# KiCad board SofleKeyboard_ref.kicad_pcb
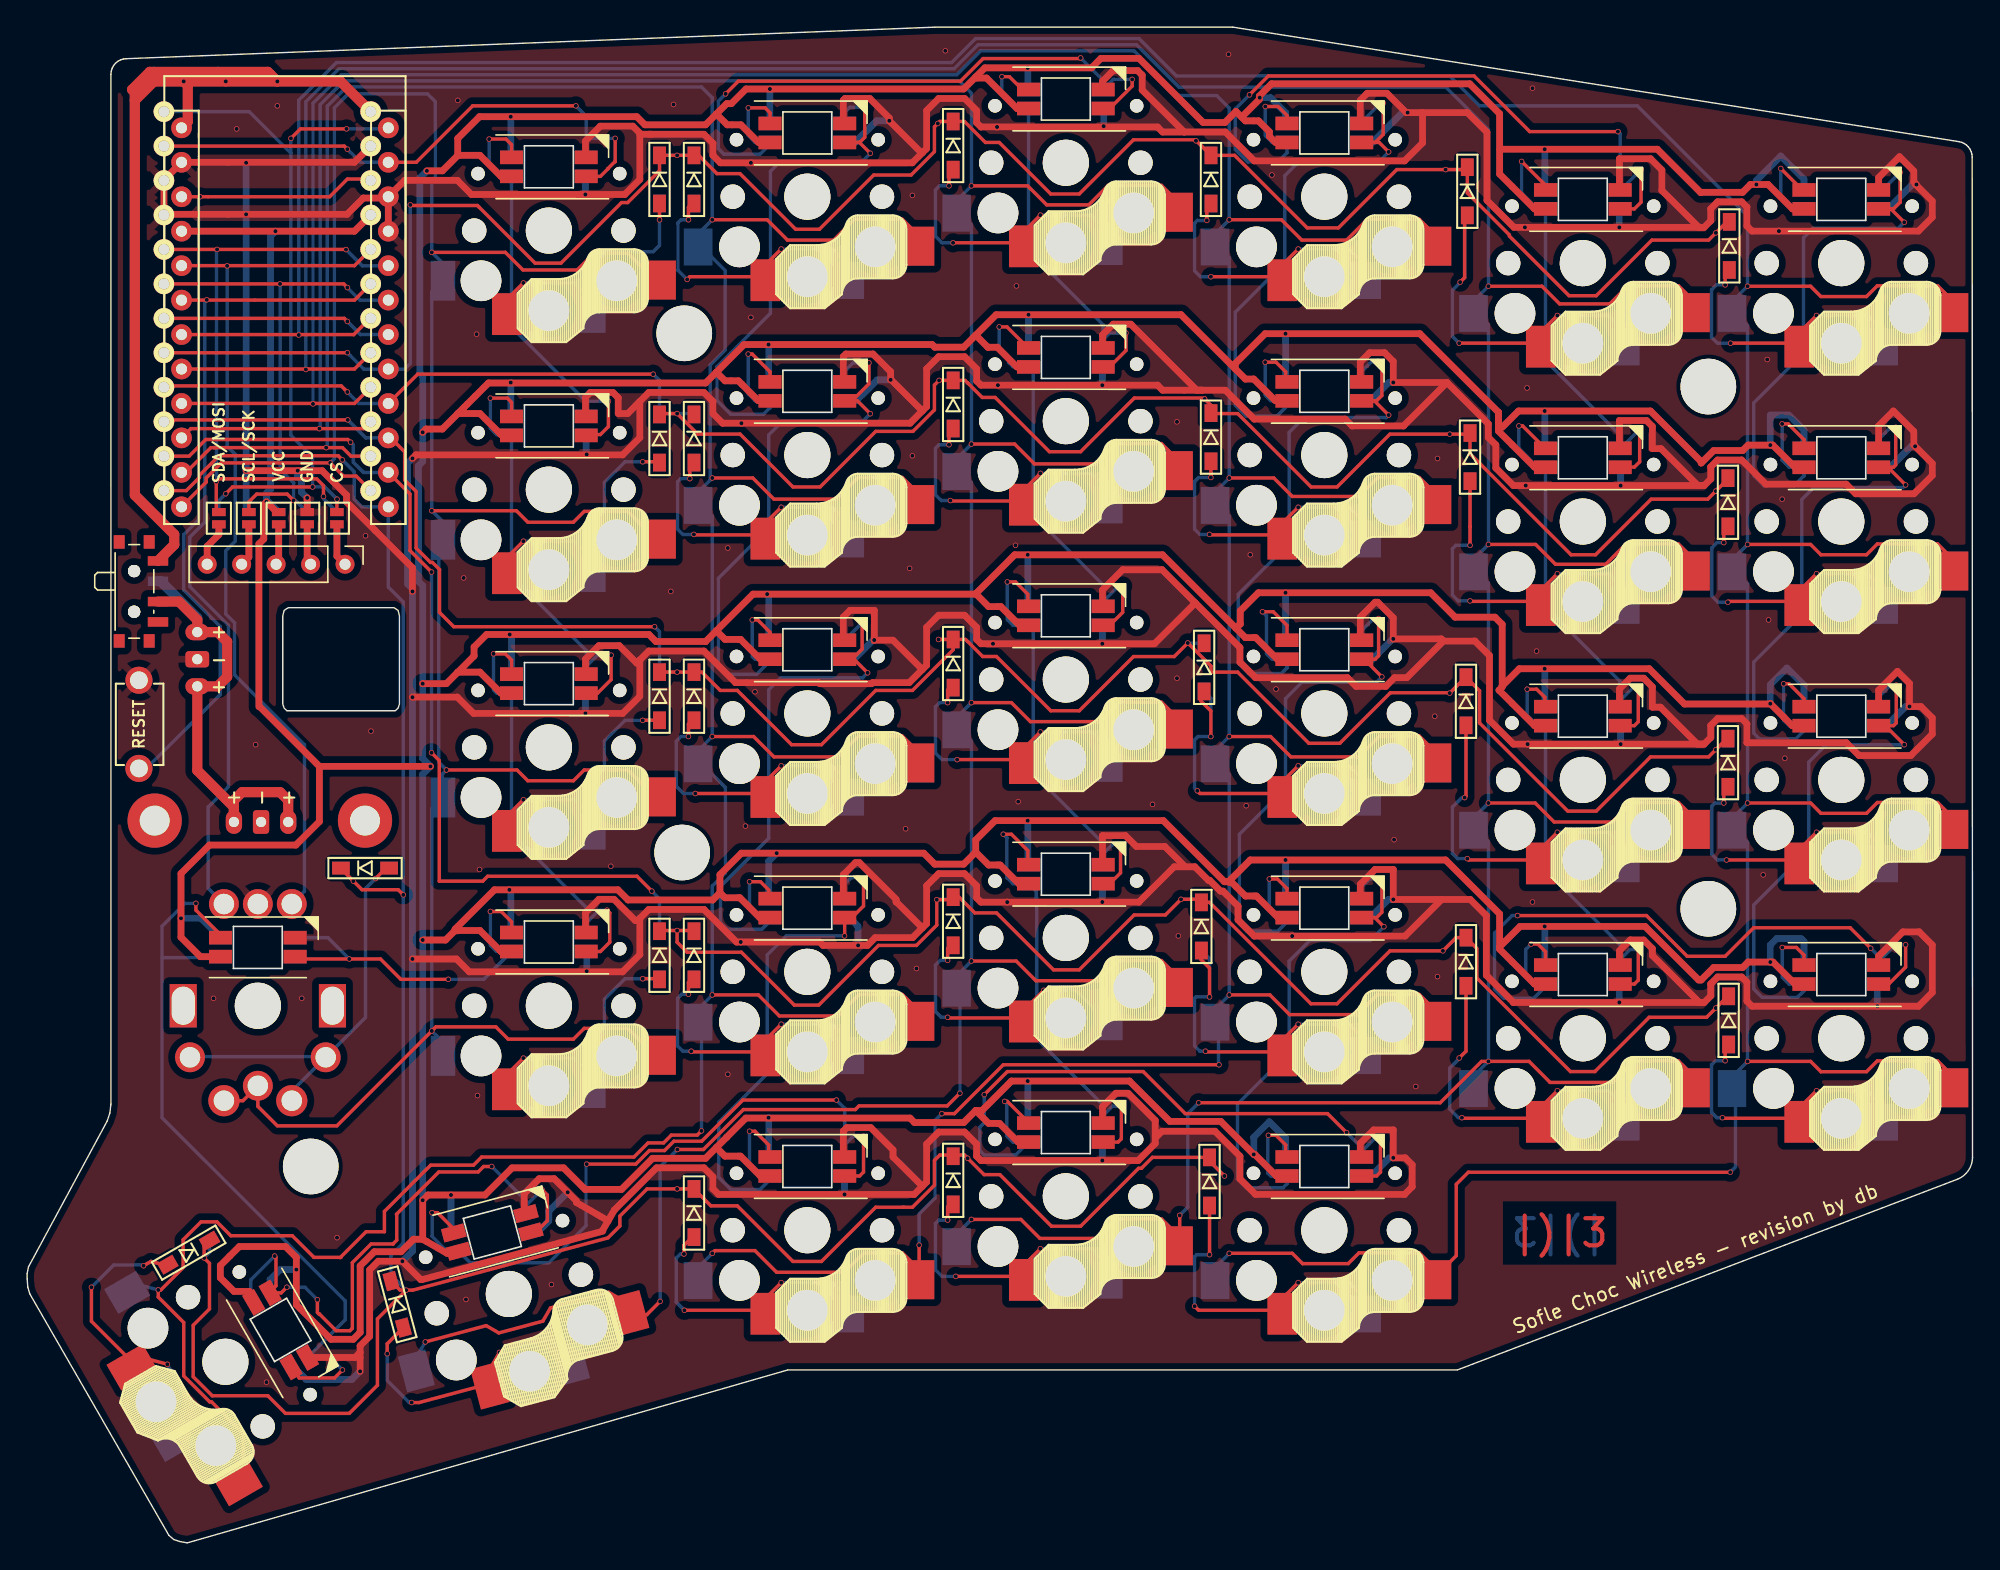
[diagram p0: board, top side]
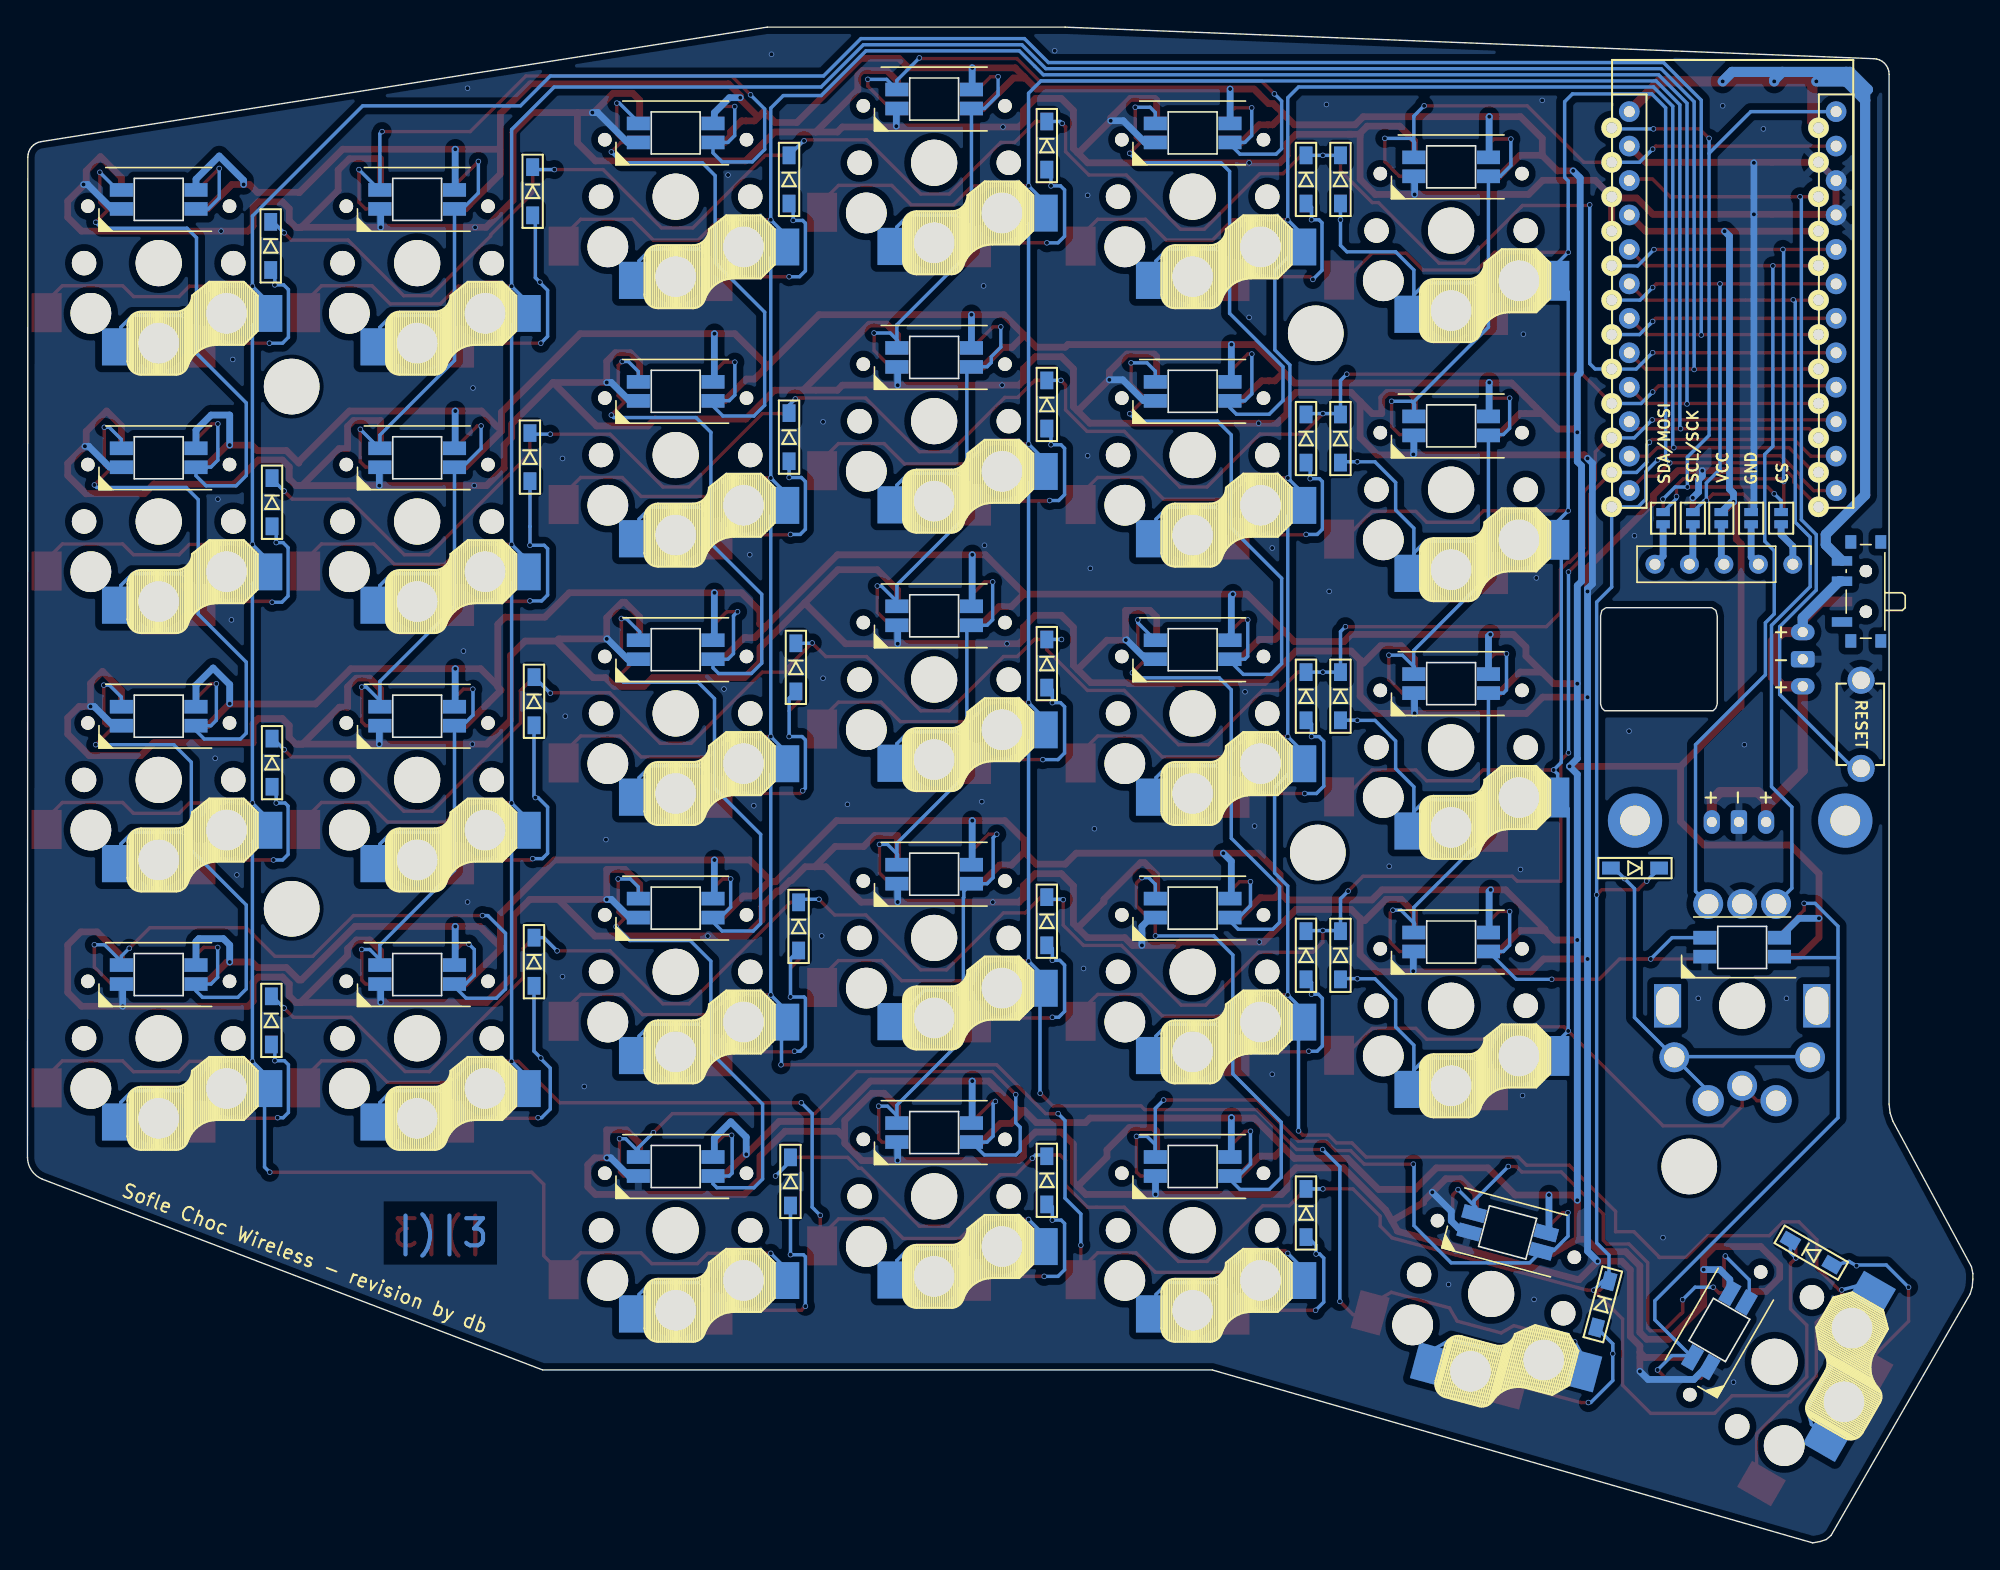
[diagram p1: board, bottom side, seen from below]

Outline 143.37 x 111.75 mm; copper layers: Top, Bottom. Coordinates in mm from the lower left corner of the outline.
Outline path: 27.44,61.85 27.44,68.35 27.34,68.75 27.04,68.95 19.24,68.95 18.94,68.75 18.84,68.35 18.84,61.85 18.94,61.55 19.14,61.35 27.14,61.35 27.34,61.55 closed ; 0,19.85 0.1,20.35 5.9,31.1 6.1,31.7 6.18,32.35 6.17,108.27 6.2,108.5 6.26,108.72 6.37,108.92 6.51,109.09 6.68,109.23 6.88,109.33 7.09,109.4 7.33,109.42 66.9,111.75 88.85,111.75 142.38,103.3 142.58,103.25 142.76,103.17 142.93,103.05 143.07,102.91 143.18,102.75 143.27,102.57 143.32,102.38 143.34,102.17 143.37,28.4 arc(143.06,27.45) 142.29,26.82 105.4,12.75 56.05,12.75 11.8,0 11.25,0.1 10.8,0.25 10.45,0.55 0.2,18.35 0.05,18.85 0,19.45 0,19.85

## Placement (name value [footprint] x y rotation side)
D1  D  [crkbd-diode]  46.61 100.52 270 top
D2  D  [crkbd-diode]  49.15 100.52 270 top
D3  D  [crkbd-diode]  68.25 103.02 270 top
D4  D  [crkbd-diode]  87.25 100.52 270 top
D5  D  [crkbd-diode]  106.14 99.65 270 top
D6  D  [crkbd-diode]  125.44 95.62 270 top
D7  D  [crkbd-diode]  46.61 81.42 270 top
D8  D  [crkbd-diode]  49.15 81.42 270 top
D9  D  [crkbd-diode]  68.25 83.93 270 top
D10  D  [crkbd-diode]  87.25 81.52 270 top
D11  D  [crkbd-diode]  106.34 80.05 270 top
D12  D  [crkbd-diode]  125.34 76.72 270 top
D13  D  [crkbd-diode]  46.61 62.42 270 top
D14  D  [crkbd-diode]  49.15 62.42 270 top
D15  D  [crkbd-diode]  68.25 64.83 270 top
D16  D  [crkbd-diode]  86.74 64.55 270 top
D17  D  [crkbd-diode]  106.04 62.05 270 top
D18  D  [crkbd-diode]  125.34 57.52 270 top
D19  D  [crkbd-diode]  46.61 43.32 270 top
D20  D  [crkbd-diode]  49.15 43.32 270 top
D21  D  [crkbd-diode]  68.25 45.83 270 top
D22  D  [crkbd-diode]  86.54 45.45 270 top
D23  D  [crkbd-diode]  106.04 42.85 270 top
D24  D  [crkbd-diode]  125.4 38.52 270 top
D25  D  [crkbd-diode]  24.9 49.75 0 top
D26  D  [crkbd-diode]  11.91 21.4 210 top
D27  D  [crkbd-diode]  27.27 17.59 285 top
D28  D  [crkbd-diode]  49.15 24.32 270 top
D29  D  [crkbd-diode]  68.25 26.73 270 top
D30  D  [crkbd-diode]  87.14 26.65 270 top
J3  OLED  [OLED_NICEVIEW_COMBO_HDR_5Pin]  18.35 72.15 0 top
JP0  Jumper_NO_Small  [Jumper_small]  22.83 75.55 90 top
JP1  Jumper_NO_Small  [Jumper_small]  20.64 75.55 90 top
JP2  Jumper_NO_Small  [Jumper_small]  18.54 75.55 90 top
JP3  Jumper_NO_Small  [Jumper_small]  16.34 75.55 90 top
JP4  Jumper_NO_Small  [Jumper_small]  14.13 75.55 90 top
JP5  Jumper_NO_Small  [Jumper_small]  22.83 75.55 90 bottom
JP6  Jumper_NO_Small  [Jumper_small]  20.64 75.55 90 bottom
JP7  Jumper_NO_Small  [Jumper_small]  18.54 75.55 90 bottom
JP8  Jumper_NO_Small  [Jumper_small]  16.34 75.55 90 bottom
JP9  Jumper_NO_Small  [Jumper_small]  14.13 75.55 90 bottom
JST_BATT1  Conn_01x02  [JST_PH_S2B-PH-K_1x02_P2.00mm_DoubleSided]  17.24 53.05 180 top
JST_BATT2  Conn_01x02  [JST_PH_S2B-PH-K_1x02_P2.00mm_DoubleSided]  12.44 65.15 90 top
RSW1  SW_RST  [TACT_SWITCH_TVBP06]  8.24 60.35 270 top
SW1  SW_PUSH_LED  [Choc_Hotswap_SK6812MiniE_BiggerHSPads_Column1]  38.45 96.75 180 top
SW2  SW_PUSH_LED  [Choc_Hotswap_SK6812MiniE_BiggerHSPads]  57.5 99.25 180 top
SW3  SW_PUSH_LED  [Choc_Hotswap_SK6812MiniE_BiggerHSPads]  76.55 101.75 180 top
SW4  SW_PUSH_LED  [Choc_Hotswap_SK6812MiniE_BiggerHSPads]  95.6 99.25 180 top
SW5  SW_PUSH_LED  [Choc_Hotswap_SK6812MiniE_BiggerHSPads]  114.65 94.35 180 top
SW6  SW_PUSH_LED  [Choc_Hotswap_SK6812MiniE_BiggerHSPads]  133.7 94.35 180 top
SW7  SW_PUSH_LED  [Choc_Hotswap_SK6812MiniE_BiggerHSPads_Column1]  38.45 77.65 180 top
SW8  SW_PUSH_LED  [Choc_Hotswap_SK6812MiniE_BiggerHSPads]  57.5 80.2 180 top
SW9  SW_PUSH_LED  [Choc_Hotswap_SK6812MiniE_BiggerHSPads]  76.55 82.7 180 top
SW10  SW_PUSH_LED  [Choc_Hotswap_SK6812MiniE_BiggerHSPads]  95.6 80.2 180 top
SW11  SW_PUSH_LED  [Choc_Hotswap_SK6812MiniE_BiggerHSPads]  114.65 75.3 180 top
SW12  SW_PUSH_LED  [Choc_Hotswap_SK6812MiniE_BiggerHSPads]  133.7 75.3 180 top
SW13  SW_PUSH_LED  [Choc_Hotswap_SK6812MiniE_BiggerHSPads_Column1]  38.45 58.65 180 top
SW14  SW_PUSH_LED  [Choc_Hotswap_SK6812MiniE_BiggerHSPads]  57.5 61.15 180 top
SW15  SW_PUSH_LED  [Choc_Hotswap_SK6812MiniE_BiggerHSPads]  76.55 63.65 180 top
SW16  SW_PUSH_LED  [Choc_Hotswap_SK6812MiniE_BiggerHSPads]  95.6 61.15 180 top
SW17  SW_PUSH_LED  [Choc_Hotswap_SK6812MiniE_BiggerHSPads]  114.65 56.25 180 top
SW18  SW_PUSH_LED  [Choc_Hotswap_SK6812MiniE_BiggerHSPads]  133.7 56.25 180 top
SW19  SW_PUSH_LED  [Choc_Hotswap_SK6812MiniE_BiggerHSPads_Column1]  38.45 39.6 180 top
SW20  SW_PUSH_LED  [Choc_Hotswap_SK6812MiniE_BiggerHSPads]  57.5 42.1 180 top
SW21  SW_PUSH_LED  [Choc_Hotswap_SK6812MiniE_BiggerHSPads]  76.55 44.6 180 top
SW22  SW_PUSH_LED  [Choc_Hotswap_SK6812MiniE_BiggerHSPads]  95.6 42.1 180 top
SW23  SW_PUSH_LED  [Choc_Hotswap_SK6812MiniE_BiggerHSPads]  114.65 37.2 180 top
SW24  SW_PUSH_LED  [Choc_Hotswap_SK6812MiniE_BiggerHSPads]  133.7 37.2 180 top
SW25  SW_PUSH_LED  [Kailh-PG1350-1u-reversible-SK6812MiniE_MODIFIED]  17 39.6 0 top
SW26  SW_PUSH_LED  [Choc_Hotswap_SK6812MiniE_BiggerHSPads]  14.61 13.35 120 top
SW27  SW_PUSH_LED  [Choc_Hotswap_SK6812MiniE_BiggerHSPads]  35.5 18.35 195 top
SW28  SW_PUSH_LED  [Choc_Hotswap_SK6812MiniE_BiggerHSPads]  57.5 23.05 180 top
SW29  SW_PUSH_LED  [Choc_Hotswap_SK6812MiniE_BiggerHSPads]  76.55 25.55 180 top
SW30  SW_PUSH_LED  [Choc_Hotswap_SK6812MiniE_BiggerHSPads]  95.6 23.05 180 top
SW31  Rotary_Encoder_Switch  [RotaryEncoder_Alps_EC11E-Switch_Vertical_H20mm-keebio_modified]  17 39.6 270 top
SW_BATT+1  SW_SPST  [SW_SPDT_PCM12]  8.21 70.15 270 top
SW_BATT+2  SW_SPST  [SW_SPDT_PCM12#2]  8.21 70.15 90 bottom
TH1  HOLE  [M2_HOLE_PCB]  9.4 53.25 0 top
TH2  HOLE  [M2_HOLE_PCB]  24.9 53.25 0 top
TH3  HOLE  [HOLE_M2_TH#4]  48.4 89.1 0 top
TH4  HOLE  [HOLE_M2_TH#2]  124.12 84.97 0 top
TH5  HOLE  [HOLE_M2_TH#5]  48.3 50.82 0 top
TH6  HOLE  [HOLE_M2_TH#3]  124.08 46.72 0 top
TH7  HOLE  [HOLE_M2_TH]  20.9 27.75 90 top
U1  -  [ProMicro]  18.9 90.75 0 top

## Footprints (pads in the part's own frame, mm; a bottom-side part is the same pattern mirrored in y, then rotated)
Choc_Hotswap_SK6812MiniE_BiggerHSPads
  round 1.8 hole 1.8 unplated: (-5.5,0) (5.5,0)
  round 1 hole 1 unplated: (-5.22,-4.2) (5.22,-4.2)
  round 3 hole 3 unplated: (-5,3.7) (0,5.9) (5,3.7)
  round 3.4 hole 3.4 unplated: (0,0)
  rect 1.7x1 smd: 1(2.75,-3.999) 2(2.75,-5.399) 3(-2.75,-5.399) 4(-2.75,-3.999)
  rect 1.7x1 smd far side: 1(2.75,-5.399) 2(2.75,-3.999) 3(-2.75,-3.999) 4(-2.75,-5.399)
  rect 2.18x2.74 smd far side: 5(-3.09,6.17)
  rect 2.19x3.08 smd: 5(3.095,6.16)
  rect 2.21x2.88 smd: 6(-8.255,3.65)
  rect 2.11x2.72 smd far side: 6(8.055,3.71)
Choc_Hotswap_SK6812MiniE_BiggerHSPads_Column1
  round 1.8 hole 1.8 unplated: (-5.5,0) (5.5,0)
  round 1 hole 1 unplated: (-5.22,-4.2) (5.22,-4.2)
  round 3 hole 3 unplated: (-5,3.7) (0,5.9) (5,3.7)
  round 3.4 hole 3.4 unplated: (0,0)
  rect 1.7x1 smd: 1(2.75,-3.999) 2(2.75,-5.399) 3(-2.75,-5.399) 4(-2.75,-3.999)
  rect 1.7x1 smd far side: 1(2.75,-5.399) 2(2.75,-3.999) 3(-2.75,-3.999) 4(-2.75,-5.399)
  rect 2.18x2.74 smd far side: 5(-3.09,6.17)
  rect 2.19x3.08 smd: 5(3.095,6.16)
  rect 2.21x2.88 smd: 6(-8.255,3.65)
  rect 1.815x2.94 smd far side: 6(7.803,3.7)
crkbd-diode
  rect 1.3x0.95 smd: 1(-1.775,0) 2(1.775,0)
  rect 1.3x0.95 smd far side: 1(-1.775,0) 2(1.775,0)
HOLE_M2_TH
  round 4.1 hole 4.1 unplated: (0,0)
HOLE_M2_TH#2
  round 4.1 hole 4.1 unplated: (-0.225,0.275)
HOLE_M2_TH#3
  round 4.1 hole 4.1 unplated: (-0.175,0.025)
HOLE_M2_TH#4
  round 4.1 hole 4.1 unplated: (0.025,0.075)
HOLE_M2_TH#5
  round 4.1 hole 4.1 unplated: (-0.025,0.075)
JST_PH_S2B-PH-K_1x02_P2.00mm_DoubleSided
  rrect 1.2x1.75 hole 0.75: 1(0,-0.1)
  oval 1.2x1.75 hole 0.75: 2(-2,-0.1) 2(2,-0.1)
Jumper_small
  rect 0.6x1 smd: 1(-0.45,0) 2(0.45,0)
Kailh-PG1350-1u-reversible-SK6812MiniE_MODIFIED
  round 3.4 hole 3.4 unplated: (0,0)
  rect 1.7x1 smd far side: 1(-2.75,5.02) 2(-2.75,3.62) 3(2.75,3.62) 4(2.75,5.02)
  rect 1.7x1 smd: 1(-2.75,3.62) 2(-2.75,5.02) 3(2.75,5.02) 4(2.75,3.62)
  round 2.2 hole 1.505: 5(0,-5.9) 6(-5,-3.8) 6(5,-3.8)
M2_HOLE_PCB
  round 4 hole 2.2: (0,0)
OLED_NICEVIEW_COMBO_HDR_5Pin
  round 1.397 hole 0.813: 1(-5.08,0) 2(-2.54,0) 3(0,0) 4(2.54,0) 5(5.08,0)
ProMicro
  round 1.524 hole 0.813: 1(-8.82,14.77) 1(7.719,13.574) 2(-8.82,12.23) 2(7.719,11.034) 3(-8.82,9.69) 3(7.719,8.494) 4(-8.82,7.15) 4(7.719,5.954) 5(-8.82,4.61) 5(7.719,3.414) 6(-8.82,2.07) 6(7.719,0.874) 7(-8.82,-0.47) 7(7.719,-1.666) 8(-8.82,-3.01) 8(7.719,-4.206) 9(-8.82,-5.55) 9(7.719,-6.746) 10(-8.82,-8.09) 10(7.719,-9.286) 11(-8.82,-10.63) 11(7.719,-11.826) 12(-8.82,-13.17) 12(7.719,-14.366) 13(-7.521,-14.366) 13(6.42,-13.17) 14(-7.521,-11.826) 14(6.42,-10.63) 15(-7.521,-9.286) 15(6.42,-8.09) 16(-7.521,-6.746) 16(6.42,-5.55) 17(-7.521,-4.206) 17(6.42,-3.01) 18(-7.521,-1.666) 18(6.42,-0.47) 19(-7.521,0.874) 19(6.42,2.07) 20(-7.521,3.414) 20(6.42,4.61) 21(-7.521,5.954) 21(6.42,7.15) 22(-7.521,8.494) 22(6.42,9.69) 23(-7.521,11.034) 23(6.42,12.23) 24(-7.521,13.574) 24(6.42,14.77)
RotaryEncoder_Alps_EC11E-Switch_Vertical_H20mm-keebio_modified
  round 2.2 hole 1.505: A(-7.5,2.5) B(-7.5,-2.5) C(-7.5,0)
  rect 3.2x2 hole 2.8x1.7: MP(0,5.498) MP(0,-5.498)
  round 2.3 hole 1.505: S1(7,-2.5) S2(7,2.5)
SW_SPDT_PCM12
  rect 1x0.8 smd: (-3.65,0.78) (-3.65,-1.43) (3.65,0.78) (3.65,-1.43)
  round 0.9 hole 0.9 unplated: (-1.5,-0.33) (1.5,-0.33)
  rect 0.7x1.5 smd: 1(-2.25,1.43) 2(0.75,1.43) 3(2.25,1.43)
SW_SPDT_PCM12#2
  rect 1x0.8 smd: (-3.65,-1.43) (-3.65,0.78) (3.65,-1.43) (3.65,0.78)
  round 0.9 hole 0.9 unplated: (-1.5,-0.33) (1.5,-0.33)
  rect 0.7x1.5 smd: 1(2.25,1.43) 2(0.75,1.43) 3(-2.25,1.43)
TACT_SWITCH_TVBP06
  round 2 hole 1.3: 1(-3.25,0) 2(3.25,0)

## Nets
GND: JP1.2 JP8.2 JST_BATT1.1 JST_BATT2.1 RSW1.1 SW1.3 SW2.3 SW3.3 SW4.3 SW5.3 SW6.3 SW7.3 SW8.3 SW9.3 SW10.3 SW11.3 SW12.3 SW13.3 SW14.3 SW15.3 SW16.3 SW17.3 SW18.3 SW19.3 SW20.3 SW21.3 SW22.3 SW23.3 SW24.3 SW25.3 SW26.3 SW27.3 SW28.3 SW29.3 SW30.3 SW31.C U1.3 U1.4 U1.23
VCC: JP2.2 JP7.2 SW1.1 SW2.1 SW3.1 SW4.1 SW5.1 SW6.1 SW7.1 SW8.1 SW9.1 SW10.1 SW11.1 SW12.1 SW13.1 SW14.1 SW15.1 SW16.1 SW17.1 SW18.1 SW19.1 SW20.1 SW21.1 SW22.1 SW23.1 SW24.1 SW25.1 SW26.1 SW27.1 SW28.1 SW29.1 SW30.1 U1.21
col0: SW6.6 SW12.6 SW18.6 SW24.6 SW30.6 U1.18
col1: SW5.6 SW11.6 SW17.6 SW23.6 SW29.6 U1.17
col2: SW4.6 SW10.6 SW16.6 SW22.6 SW28.6 U1.16
col3: SW3.6 SW9.6 SW15.6 SW21.6 SW27.6 U1.15
col4: SW2.6 SW8.6 SW14.6 SW20.6 SW26.6 U1.14
col5: SW1.6 SW7.6 SW13.6 SW19.6 SW25.5 SW31.S1 U1.13
CS: JP0.2 JP9.2 U1.1
ENCA: SW31.A U1.20
ENCB: SW31.B U1.19
LED: SW1.4 U1.2
RESET: RSW1.2 U1.22
row0: D1.1 D2.1 D3.1 D4.1 D5.1 D6.1 U1.8
row1: D7.1 D8.1 D9.1 D10.1 D11.1 D12.1 U1.9
row2: D13.1 D14.1 D15.1 D16.1 D17.1 D18.1 U1.10
row3: D19.1 D20.1 D21.1 D22.1 D23.1 D24.1 U1.11
row4: D25.1 D26.1 D27.1 D28.1 D29.1 D30.1 U1.12
SCL: JP3.2 JP6.2 U1.6
SDA: JP4.2 JP5.2 U1.5
Net-(D1-Pad2): D1.2 SW1.5
Net-(D2-Pad2): D2.2 SW2.5
Net-(D3-Pad2): D3.2 SW3.5
Net-(D4-Pad2): D4.2 SW4.5
Net-(D5-Pad2): D5.2 SW5.5
Net-(D6-Pad2): D6.2 SW6.5
Net-(D7-Pad2): D7.2 SW7.5
Net-(D8-Pad2): D8.2 SW8.5
Net-(D9-Pad2): D9.2 SW9.5
Net-(D10-Pad2): D10.2 SW10.5
Net-(D11-Pad2): D11.2 SW11.5
Net-(D12-Pad2): D12.2 SW12.5
Net-(D13-Pad2): D13.2 SW13.5
Net-(D14-Pad2): D14.2 SW14.5
Net-(D15-Pad2): D15.2 SW15.5
Net-(D16-Pad2): D16.2 SW16.5
Net-(D17-Pad2): D17.2 SW17.5
Net-(D18-Pad2): D18.2 SW18.5
Net-(D19-Pad2): D19.2 SW19.5
Net-(D20-Pad2): D20.2 SW20.5
Net-(D21-Pad2): D21.2 SW21.5
Net-(D22-Pad2): D22.2 SW22.5
Net-(D23-Pad2): D23.2 SW23.5
Net-(D24-Pad2): D24.2 SW24.5
Net-(D25-Pad2): D25.2 SW25.6 SW31.S2
Net-(D26-Pad2): D26.2 SW26.5
Net-(D27-Pad2): D27.2 SW27.5
Net-(D28-Pad2): D28.2 SW28.5
Net-(D29-Pad2): D29.2 SW29.5
Net-(D30-Pad2): D30.2 SW30.5
Net-(J3-Pad1): J3.1 JP4.1 JP9.1
Net-(J3-Pad2): J3.2 JP3.1 JP8.1
Net-(J3-Pad3): J3.3 JP2.1 JP7.1
Net-(J3-Pad4): J3.4 JP1.1 JP6.1
Net-(J3-Pad5): J3.5 JP0.1 JP5.1
Net-(JST_BATT1-Pad2): JST_BATT1.2 JST_BATT2.2 SW_BATT+1.2 SW_BATT+2.2
Net-(SW1-Pad2): SW1.2 SW7.4
Net-(SW2-Pad2): SW2.2 SW3.4
Net-(SW2-Pad4): SW2.4 SW8.2
Net-(SW3-Pad2): SW3.2 SW9.4
Net-(SW4-Pad2): SW4.2 SW5.4
Net-(SW10-Pad2): SW4.4 SW10.2
Net-(SW10-Pad4): SW10.4 SW16.2
Net-(SW11-Pad2): SW11.2 SW17.4
Net-(SW11-Pad4): SW5.2 SW11.4
Net-(SW12-Pad2): SW6.4 SW12.2
Net-(SW12-Pad4): SW12.4 SW18.2
Net-(SW13-Pad2): SW13.2 SW19.4
Net-(SW13-Pad4): SW7.2 SW13.4
Net-(SW14-Pad2): SW8.4 SW14.2
Net-(SW14-Pad4): SW14.4 SW20.2
Net-(SW15-Pad2): SW15.2 SW21.4
Net-(SW15-Pad4): SW9.2 SW15.4
Net-(SW16-Pad4): SW16.4 SW22.2
Net-(SW17-Pad2): SW17.2 SW23.4
Net-(SW18-Pad4): SW18.4 SW24.2
Net-(SW19-Pad2): SW19.2 SW25.4
Net-(SW20-Pad4): SW20.4 SW28.2
Net-(SW21-Pad2): SW21.2 SW29.4
Net-(SW22-Pad4): SW22.4 SW30.2
Net-(SW23-Pad2): SW23.2 SW24.4
Net-(SW25-Pad2): SW25.2 SW26.4
Net-(SW26-Pad2): SW26.2 SW27.4
Net-(SW27-Pad2): SW27.2 SW28.4
Net-(SW29-Pad2): SW29.2 SW30.4
Net-(SW_BATT+1-Pad1): SW_BATT+1.1 SW_BATT+2.1 U1.24

Pads without a net: SW6 2; SW31 MP; SW_BATT+1 3; SW_BATT+2 3; U1 7

## Via types
v1: diameter 0.4, hole 0.3, Top to Bottom, 418 vias

## Routing (per net, layer and track width the routed paths; a pad name or vN(x,y) marks a point on that pad's centre or on a via; arc(x,y) is an arc through that point)
GND: length 1120.8
  Top w0.25: 24.52,13.67 24.54,13.65
  Top w0.5: 65.97,45.34 64.06,47.25 64.04,47.25 64.04,47.44 61.34,50.15 61.04,50.15 60.15,49.26 60.15,47.5 ; 65.97,45.34 65.26,44.62 62.5,44.62 61.93,44.05 58.66,44.05 58.41,44.3 v1(52.59,44.3) 52.28,44.3 49.88,46.7 45.81,46.7 45.15,46.04 ; 65.97,45.34 66.29,45.66 66.29,48.45 67.18,49.34 69.08,49.34 69.97,48.45 69.97,47.56 70.3,47.24 v1(72.23,47.24) 81.93,47.24 84.54,49.85 85.34,49.85 ; 65.97,26.29 65.37,25.69 50.95,25.69 50.54,26.1 50.54,26.99 49.88,27.65 46.38,27.65 43.28,24.55 42.82,23.75 ; 65.97,26.29 63.81,28.45 63.81,28.97 62.17,30.62 60.41,30.62 60.15,30.36 60.15,28.45 ; 65.97,26.29 66.29,26.61 66.29,29.4 67.18,30.29 69.08,30.29 69.97,29.4 69.97,28.51 70.3,28.19 81.88,28.19 83.14,29.45 83.14,31.15 81.14,33.15 80.24,33.15 79.25,32.16 79.25,30.95 ; 42.82,23.75 42.39,23.01 ; 42.82,23.75 40.48,25.1 40.48,25.21 v1(39.84,25.85) 38.84,26.85 37.74,26.85 36.63,25.74 36.63,24.33 ; 104.64,85.55 107.69,82.5 107.69,81.5 108.24,80.95 108.24,79.25 109.53,77.95 v1(110.44,77.95) 123.42,77.95 ; 104.64,85.55 v1(100.68,85.55) 100.68,87.1 100.04,87.75 98.94,87.75 98.25,87.06 98.25,85.61 ; 104.64,85.55 101.43,82.35 97.64,82.35 97.13,82.85 90.44,82.85 88.31,84.98 86.6,84.98 ; 123.42,96.99 v1(110.38,96.99) 109.58,96.99 107.59,98.98 107.59,104 106.14,105.45 102.84,105.45 ; 123.42,96.99 123.2,96.99 120.47,99.71 120.47,101.21 119.64,102.05 117.35,102.05 117.35,99.75 ; 123.42,96.99 123.59,96.99 124.08,97.47 124.08,98.36 124.58,98.87 126.36,98.87 126.74,98.49 126.74,97.09 127.12,96.71 v1(129.1,96.71) 139.39,96.71 140.4,97.73 140.4,98.92 139.15,100.18 ; 85.27,104.02 83.68,104.02 83.31,104.39 v1(71.48,104.39) 70.3,104.39 69.97,104.71 69.97,105.6 69.08,106.49 67.18,106.49 66.29,105.6 66.29,102.81 65.97,102.49 ; 85.27,104.02 82.18,107.11 82.18,108.21 81.84,108.55 80.04,108.55 79.25,107.76 79.25,107.15 ; 85.27,104.02 88.31,104.02 90.44,101.89 101.51,101.89 102.84,103.22 102.84,105.45 ; 136.45,80.71 136.45,82.36 137.54,83.45 139.04,81.95 139.04,80.95 v1(139.14,80.85) 140.4,79.58 140.4,78.69 139.06,77.35 134.76,77.35 134.06,78.05 128.14,78.05 126.36,79.83 124.58,79.83 124.08,79.32 124.08,78.44 123.59,77.95 123.42,77.95 ; 123.42,58.89 123.59,58.89 124.08,59.37 124.08,60.26 124.58,60.77 126.36,60.77 126.74,60.39 126.74,58.99 134.07,58.99 135.01,58.05 138.82,58.05 140.4,59.63 140.4,60.82 139.57,61.66 v1(138.72,61.66) 138.72,63.36 137.84,64.25 136.45,62.86 SW18.3 ; 123.42,58.89 123.1,58.89 120.37,61.61 119.78,61.61 119.78,63.11 119.14,63.75 118.14,63.75 117.35,62.96 117.35,61.65 ; 123.42,58.89 v1(110.58,58.89) 109.54,58.89 107.77,60.65 107.77,65.41 106.7,66.49 104.38,66.49 ; 65.97,102.49 65.9,102.49 v1(63.54,104.85) 63.54,105.05 62.1,106.49 60.28,106.49 60.15,106.36 60.15,104.65 ; 65.97,102.49 65.23,101.75 v1(53.34,101.75) 51.09,101.75 50.54,102.3 50.54,103.19 49.88,103.85 45.81,103.85 ; 45.15,65.09 45.81,65.75 49.88,65.75 52.21,63.42 58.34,63.42 58.41,63.35 62.23,63.35 62.3,63.42 65.01,63.42 65.97,64.39 ; 45.15,65.09 44.93,64.86 43.64,66.15 42.14,66.15 41.15,65.16 41.15,64.05 ; 45.15,65.09 45.15,62.42 43.88,61.15 v1(41.14,61.15) 32.91,61.15 31.7,62.35 28.41,62.35 v1(28.4,62.35) ; 123.42,77.95 123.13,77.95 120.41,80.68 119.78,80.68 119.78,82.31 119.34,82.75 117.35,82.75 117.35,80.71 ; 41.15,45 41.15,46.46 42.14,47.45 43.25,47.45 44.81,45.89 45,45.89 45.15,46.04 ; 104.38,66.49 104.22,66.65 v1(100.68,66.65) 100.68,68.2 99.54,69.35 99.34,69.35 98.25,68.26 98.25,66.55 ; 104.38,66.49 101.68,63.79 100.77,63.79 100.13,63.15 97.94,63.15 97.3,63.79 90.53,63.79 89.38,64.94 89.38,66.01 86.09,69.3 ; 98.25,47.5 98.25,48.56 99.34,49.65 100.68,49.65 v1(100.68,47.44) 104.25,47.44 ; 104.25,47.44 101.55,44.74 v1(93.23,44.74) 90.43,44.74 89.24,45.93 89.24,46.95 88.14,48.05 87.95,48.05 87.15,48.85 87.05,48.85 86.05,49.85 85.34,49.85 ; 104.25,47.44 106.35,47.44 107.54,46.25 107.54,41.85 109.54,39.85 109.54,39.84 123.42,39.84 ; SW24.3 136.45,43.26 138.24,45.05 139.44,45.05 140.4,44.08 140.4,40.58 139.39,39.56 v1(136.35,39.56) 127.12,39.56 126.74,39.94 126.74,41.34 126.36,41.72 124.58,41.72 124.08,41.21 124.08,40.32 123.59,39.84 123.42,39.84 ; 65.97,64.39 66.29,64.71 66.29,67.5 67.18,68.39 69.08,68.39 69.97,67.5 69.97,66.61 70.3,66.29 v1(71.18,66.29) 83.08,66.29 86.09,69.3 ; 65.97,64.39 63.81,66.55 62.44,66.55 v1(62.43,66.56) 62.44,66.58 62.44,68.75 60.64,68.75 60.15,68.26 60.15,66.55 ; U1.4 U1.3 27.83,100.45 31.7,100.45 32.74,99.41 44.04,99.41 45.15,100.52 45.15,103.77 45.24,103.85 ; 123.42,39.84 123.25,39.84 119.78,43.31 119.78,43.81 119.14,44.45 118.14,44.45 117.35,43.66 117.35,42.6 ; 79.25,88.11 79.25,89.06 80.04,89.85 81.34,89.85 86.2,84.98 86.6,84.98 ; 45.15,84.15 45.15,81.49 43.88,80.22 28.66,80.22 v1(28.4,79.96) ; 45.15,84.15 45.81,84.81 49.88,84.81 50.54,84.15 50.54,83.26 51.26,82.55 v1(52.64,82.55) 65.07,82.55 65.97,83.45 ; 45.15,84.15 44.26,83.26 43.56,83.26 43.56,84.42 43.17,84.81 41.51,84.81 41.15,84.46 41.15,83.11 ; SW26.3 24.16,13.67 24.54,14.05 ; 24.54,14.05 v1(24.54,12.65) ; 24.54,14.05 24.54,14.52 25.24,15.23 25.24,20.13 25.88,20.76 v1(27.66,20.76) 29.01,19.41 29.09,19.41 42.43,22.98 ; 85.34,49.85 83.85,51.34 81.75,51.34 80.94,52.15 79.25,52.15 79.25,50 ; 102.84,105.45 v1(101.74,105.45) 101.64,105.45 100.21,106.87 98.77,106.87 98.25,106.36 98.25,104.65 ; 45.24,103.85 44.64,104.45 42.24,104.45 41.15,103.36 41.15,102.15 ; 45.24,103.85 46.04,103.85 ; 86.6,84.98 83.68,84.98 83.31,85.35 v1(71.54,85.35) 70.3,85.35 69.97,85.67 69.97,86.56 69.08,87.45 67.18,87.45 66.29,86.56 66.29,83.77 65.97,83.45 ; v1(28.4,43.05) 31.64,43.05 32.58,42.1 43.88,42.1 45.15,43.37 45.15,46.04 ; 86.09,69.3 83.64,71.75 80.74,71.75 79.25,70.26 79.25,69.05 ; v1(16.14,79.05) v1(19.94,79.05) 21.74,79.05 23.54,77.25 23.54,76.75 28.4,71.89 v1(28.4,70.14) ; 26.6,99.15 24.78,99.15 23.58,97.95 10.13,97.95 U1.4 U1.3 10.08,100.49 U1.23 24.12,101.78 U1.23 ; v1(139.24,100.15) 139.04,100.35 139.04,101.15 137.99,102.2 136.45,100.66 SW6.3 ; 65.97,83.45 63.68,85.75 v1(63.64,85.75) 63.64,86.35 62.34,87.65 60.34,87.65 60.15,87.46 60.15,85.61 ; v1(20.64,77.05) JP1.2 ; 98.25,28.45 98.25,29.46 99.24,30.45 100.68,30.45 v1(100.68,28.39) 101.57,28.39 102.08,27.88 102.08,26.25 101.51,25.69 90.53,25.69 89.38,26.84 89.38,28.51 87.54,30.35 83.64,30.35 83.14,29.85